# Altium PCB uZed_breakout.PcbDoc (part 3 of 4)
Units mm, origin at the board's own origin, x right, y up, seen from the top; angles counter-clockwise.
Board outline 101.6 x 80.24 mm, 4 copper layers (Top Layer, Layer 1, Layer 2, Bottom Layer), stack 0.603 mm thick; 59 components, 141 nets, 617 pads, 641 vias.
Unrouted connection lines stored in the file: 23.
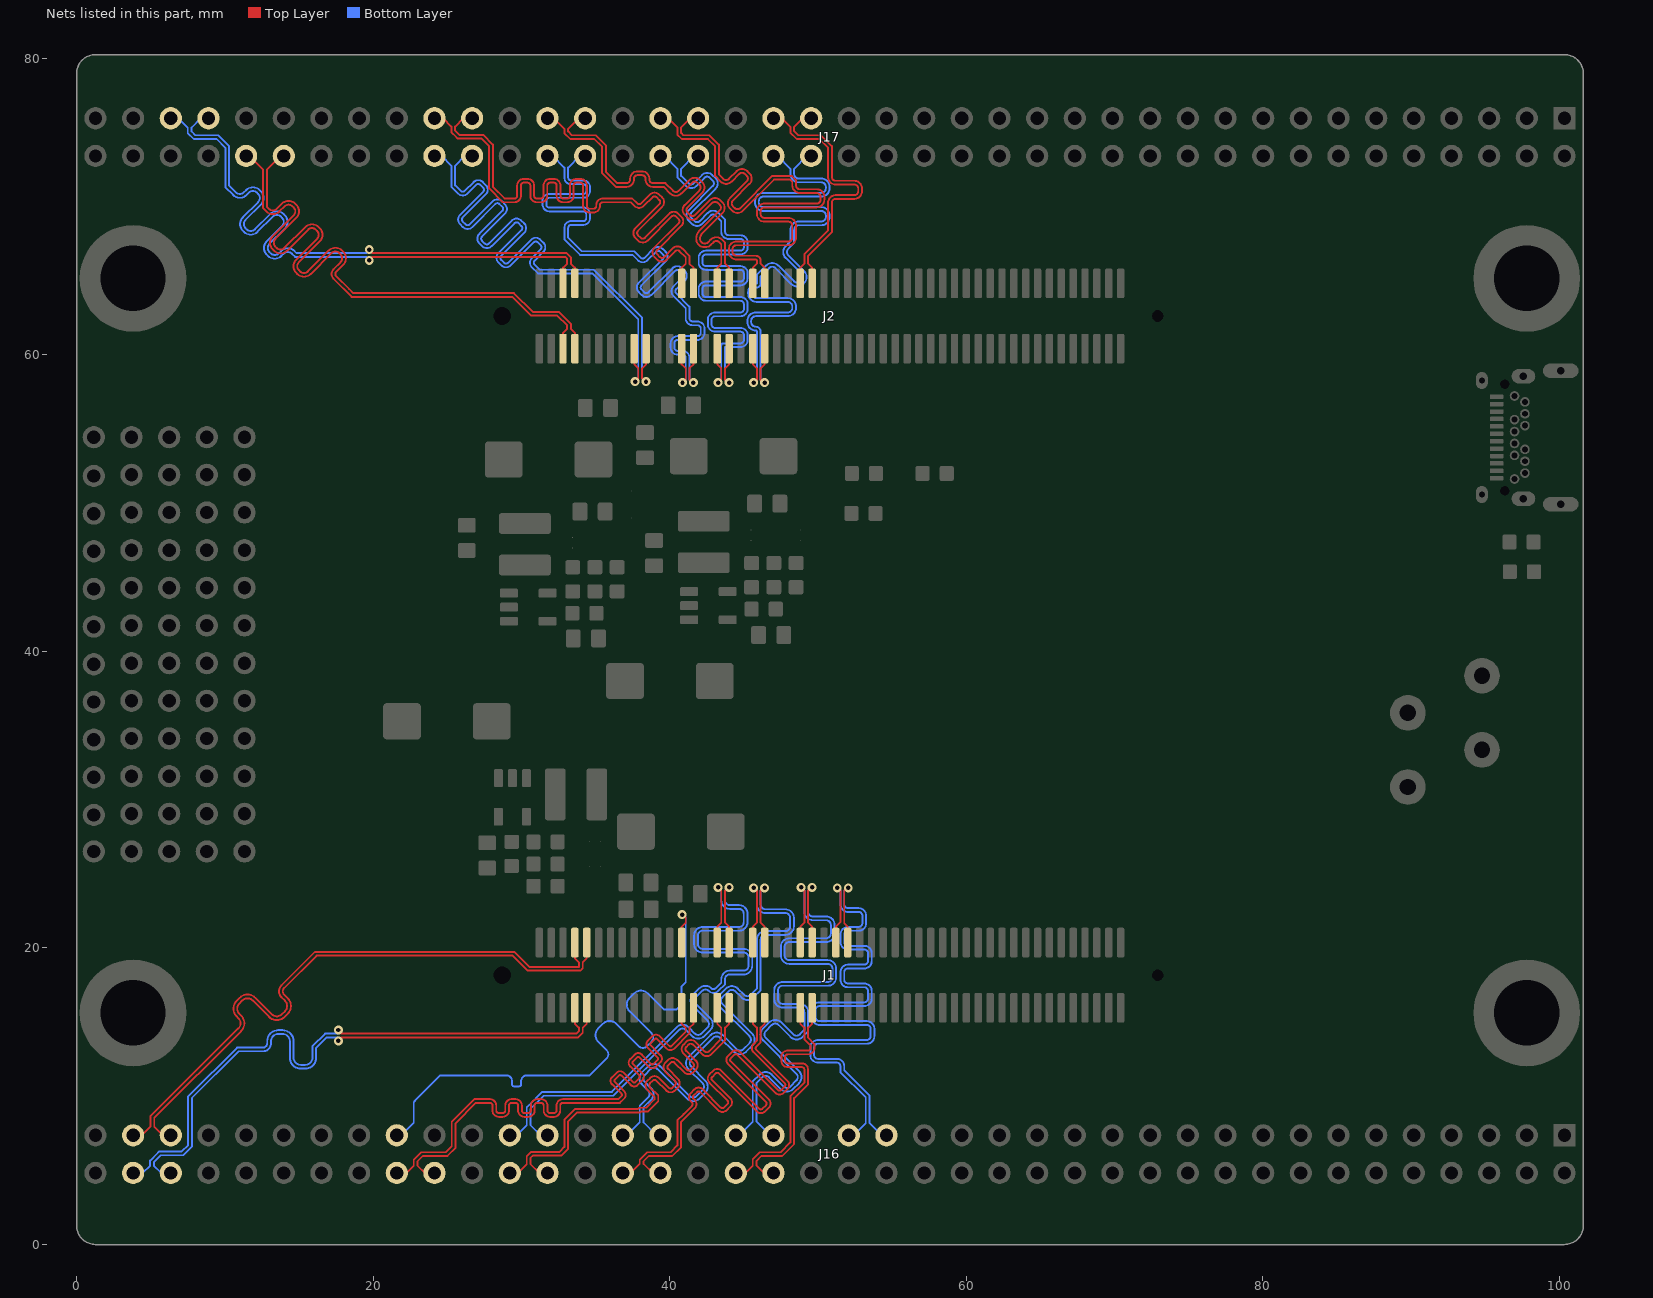
[diagram p5: the nets of this part, all layers, seen from the top]

## Via types
v1: diameter 0.6, hole 0.3, Top Layer to Bottom Layer, 562 vias
v2: diameter 0.6, hole 0.3, Top Layer to Bottom Layer, tented both sides, 75 vias
v3: diameter 0.711, hole 0.381, Top Layer to Bottom Layer, tented both sides, 4 vias

## Nets (pads, with @x,y where several pads share a name; then routed paths per layer and width w, separated by ;. In a path a pad name is that pad's centre, name@x,y a point inside that pad or via, vN(x,y) a via of type N, cw(c..) or ccw(c..) an arc to the next point about the centre after c; other vN are vias at no path point) (continued)
L13_T2_34_N: J1.50 J16.39 | length 41.5
  Top Layer w0.127: J1.50@51.2,20.361 51.2,21.425 51.509,21.734 51.509,23.901 51.357,24.054 v2@51.319,24.054
  Bottom Layer w0.127: v2@51.319,24.054 51.509,23.863 51.509,22.936 ccw(c52.017,22.936) 52.017,22.428 52.731,22.428 cw(c52.731,22.174) 52.985,22.174 52.985,21.666 cw(c52.731,21.666) 52.731,21.412 52.017,21.412 ccw(c52.017,20.904) 51.509,20.904 51.509,20.396 ccw(c52.017,20.396) 52.017,19.888 53.111,19.888 cw(c53.111,19.634) 53.365,19.634 53.365,19.126 cw(c53.111,19.126) 53.111,18.872 52.017,18.872 ccw(c52.017,18.364) 51.509,18.364 51.509,17.856 ccw(c52.017,17.856) 52.017,17.348 53.111,17.348 cw(c53.111,17.094) 53.365,17.094 53.365,16.586 cw(c53.111,16.586) 53.111,16.332 50.089,16.332 ccw(c50.089,15.824) 49.581,15.824 49.581,15.316 ccw(c50.089,15.316) 50.089,14.808 53.287,14.808 cw(c53.287,14.554) 53.541,14.554 53.541,14.046 cw(c53.287,14.046) 53.287,13.792 49.985,13.792 ccw(c49.985,13.284) 49.477,13.284 49.477,12.776 ccw(c49.985,12.776) 49.985,12.268 51.255,12.268 cw(c51.255,12.014) 51.509,12.014 51.509,11.631 53.213,9.928 53.213,8.179 52.4,7.366 J16.39@52.07,7.366
  other v2: 51.294,24.054
L13_T2_34_P: J1.48 J16.37 | length 41.4
  Top Layer w0.127: v2@51.954,24.054 51.916,24.054 51.763,23.901 51.763,21.661 52,21.425 J1.48@52,20.361
  Bottom Layer w0.127: v2@51.954,24.054 51.763,23.863 51.763,22.936 ccw(c52.017,22.936) 52.017,22.682 52.731,22.682 cw(c52.731,22.174) 53.239,22.174 53.239,21.666 cw(c52.731,21.666) 52.731,21.158 52.017,21.158 ccw(c52.017,20.904) 51.763,20.904 51.763,20.396 ccw(c52.017,20.396) 52.017,20.142 53.111,20.142 cw(c53.111,19.634) 53.619,19.634 53.619,19.126 cw(c53.111,19.126) 53.111,18.618 52.017,18.618 ccw(c52.017,18.364) 51.763,18.364 51.763,17.856 ccw(c52.017,17.856) 52.017,17.602 53.111,17.602 cw(c53.111,17.094) 53.619,17.094 53.619,16.586 cw(c53.111,16.586) 53.111,16.078 50.089,16.078 ccw(c50.089,15.824) 49.835,15.824 49.835,15.316 ccw(c50.089,15.316) 50.089,15.062 53.287,15.062 cw(c53.287,14.554) 53.795,14.554 53.795,14.046 cw(c53.287,14.046) 53.287,13.538 49.985,13.538 ccw(c49.985,13.284) 49.731,13.284 49.731,12.776 ccw(c49.985,12.776) 49.985,12.522 51.255,12.522 cw(c51.255,12.014) 51.763,12.014 51.763,11.737 53.467,10.033 53.467,8.179 54.28,7.366 J16.37@54.61,7.366
  other v2: 52.03,24.054
L13_T2_35_N: J2.56 J17.43 | length 18.1
  Top Layer w0.127: J17.43@46.99,75.946 47.549,75.946 48.133,75.362 48.133,74.977 48.561,74.549 50.089,74.549 50.673,73.965 50.673,71.989 ccw(c51.186,71.989) 51.186,71.476 52.446,71.476 cw(c52.446,71.217) 52.705,71.217 52.705,71.023 cw(c52.446,71.023) 52.446,70.764 51.186,70.764 ccw(c51.186,70.251) 50.673,70.251 50.673,68.38 49.073,66.78 49.073,66.148 48.8,65.875 J2.56@48.8,64.811
L13_T2_35_P: J2.54 J17.41 | length 18.1
  Top Layer w0.127: J17.41@49.53,75.946 48.971,75.946 48.387,75.362 48.387,75.082 48.666,74.803 50.194,74.803 50.927,74.07 50.927,71.989 ccw(c51.186,71.989) 51.186,71.73 52.446,71.73 cw(c52.446,71.217) 52.959,71.217 52.959,71.023 cw(c52.446,71.023) 52.446,70.51 51.186,70.51 ccw(c51.186,70.251) 50.927,70.251 50.927,68.275 49.327,66.675 49.327,66.148 49.6,65.875 J2.54@49.6,64.811
L14_T2_34_N: J1.55 J16.46 | length 17.6
  Top Layer w0.127: J16.46@44.45,4.826 45.11,4.826 45.593,5.309 45.593,5.744 46.072,6.223 47.473,6.223 48.133,6.883 48.133,9.982 49.073,10.922 49.073,11.788 ccw(c48.898,11.788) 48.898,11.963 47.953,11.963 cw(c47.953,12.393) 47.524,12.393 47.524,12.652 cw(c47.953,12.652) 47.953,13.081 49.323,13.081 ccw(c49.323,13.256) 49.498,13.256 49.498,13.41 49.073,13.835 49.073,14.624 48.8,14.897 J1.55@48.8,15.961
L14_T2_34_P: J1.53 J16.44 | length 17.6
  Top Layer w0.127: J16.44@46.99,4.826 46.33,4.826 45.847,5.309 45.847,5.639 46.177,5.969 47.578,5.969 48.387,6.778 48.387,9.877 49.327,10.817 49.327,11.788 ccw(c48.898,11.788) 48.898,12.217 47.953,12.217 cw(c47.953,12.393) 47.778,12.393 47.778,12.652 cw(c47.953,12.652) 47.953,12.827 49.323,12.827 ccw(c49.323,13.256) 49.752,13.256 49.752,13.515 49.327,13.94 49.327,14.624 49.6,14.897 J1.53@49.6,15.961
L14_T2_35_N: J2.63 J17.44 | length 42.3
  Top Layer w0.127: J2.63@45.6,60.411 45.6,59.347 45.873,59.074 45.873,58.306 v2@45.683,58.115
  Bottom Layer w0.127: v2@45.683,58.115 45.873,58.306 45.873,61.557 ccw(c45.795,61.557) 45.795,61.635 cw(c45.795,62.196) 45.234,62.196 45.234,62.293 cw(c45.795,62.293) 45.795,62.854 47.953,62.854 ccw(c47.953,63.161) 48.261,63.161 48.261,63.258 ccw(c47.953,63.258) 47.953,63.565 45.847,63.565 cw(c45.847,64.127) 45.286,64.127 45.286,64.223 cw(c45.847,64.223) 45.847,64.785 ccw(c45.847,64.81) 45.873,64.81 45.873,65.383 46.513,66.023 cw(c46.91,65.626) 47.307,66.023 48.381,64.949 ccw(c48.598,65.167) 48.816,64.949 48.884,65.018 ccw(c48.667,65.235) 48.974,65.235 ccw(c48.667,65.235) 48.884,65.452 47.81,66.526 cw(c48.207,66.923) 47.81,67.32 47.979,67.489 48.133,67.643 48.133,68.425 cw(c48.694,68.425) 48.694,68.986 50.213,68.986 ccw(c50.213,69.294) 50.521,69.294 50.521,69.39 ccw(c50.213,69.39) 50.213,69.698 46.307,69.698 cw(c46.307,70.259) 45.745,70.259 45.745,70.355 cw(c46.307,70.355) 46.307,70.917 50.213,70.917 ccw(c50.213,71.224) 50.521,71.224 50.521,71.321 ccw(c50.213,71.321) 50.213,71.628 48.694,71.628 cw(c48.694,72.189) 48.133,72.189 48.133,72.542 47.269,73.406 J17.44@46.99,73.406
  other v2: 45.657,58.115
L14_T2_35_P: J2.61 J17.42 | length 42.3
  Top Layer w0.127: v2@46.318,58.115 46.127,58.306 46.127,59.074 46.4,59.347 J2.61@46.4,60.411
  Bottom Layer w0.127: v2@46.318,58.115 46.127,58.306 46.127,61.557 ccw(c45.795,61.557) 45.795,61.889 cw(c45.795,62.196) 45.488,62.196 45.488,62.293 cw(c45.795,62.293) 45.795,62.6 47.953,62.6 ccw(c47.953,63.161) 48.515,63.161 48.515,63.258 ccw(c47.953,63.258) 47.953,63.819 45.847,63.819 cw(c45.847,64.127) 45.54,64.127 45.54,64.223 cw(c45.847,64.223) 45.847,64.531 ccw(c45.847,64.81) 46.127,64.81 46.127,65.278 46.693,65.844 cw(c46.91,65.626) 47.127,65.844 48.202,64.77 ccw(c48.598,65.167) 48.995,64.77 49.064,64.838 ccw(c48.667,65.235) 49.228,65.235 ccw(c48.667,65.235) 49.064,65.632 47.99,66.706 cw(c48.207,66.923) 47.99,67.141 48.158,67.309 48.387,67.538 48.387,68.425 cw(c48.694,68.425) 48.694,68.732 50.213,68.732 ccw(c50.213,69.294) 50.775,69.294 50.775,69.39 ccw(c50.213,69.39) 50.213,69.952 46.307,69.952 cw(c46.307,70.259) 45.999,70.259 45.999,70.355 cw(c46.307,70.355) 46.307,70.663 50.213,70.663 ccw(c50.213,71.224) 50.775,71.224 50.775,71.321 ccw(c50.213,71.321) 50.213,71.882 48.694,71.882 cw(c48.694,72.189) 48.387,72.189 48.387,72.542 49.251,73.406 J17.42@49.53,73.406
  other v2: 46.394,58.115
L15_T2_13_N: J1.93 J16.78 | length 41.6
  Top Layer w0.127: v2@17.653,14.414 17.843,14.224 33.706,14.224 33.873,14.391 33.873,14.624 33.6,14.897 J1.93@33.6,15.961
  Bottom Layer w0.127: J16.78@3.81,4.826 4.47,4.826 4.953,5.309 4.953,5.664 5.488,6.199 5.563,6.274 7.087,6.274 7.518,6.706 7.518,9.986 10.817,13.284 12.573,13.284 ccw(c12.573,13.564) 12.852,13.564 12.852,13.716 cw(c13.589,13.716) 13.589,14.453 13.894,14.453 cw(c13.894,13.716) 14.63,13.716 14.63,12.598 ccw(c15.113,12.598) 15.113,12.116 15.418,12.116 ccw(c15.418,12.598) 15.9,12.598 15.9,13.364 16.76,14.224 17.602,14.224 17.653,14.275 v2@17.653,14.414
  other v2: 17.653,14.465
L15_T2_13_P: J1.91 J16.76 | length 41.6
  Top Layer w0.127: v2@17.653,13.779 17.843,13.97 33.811,13.97 34.127,14.286 34.127,14.624 34.4,14.897 J1.91@34.4,15.961
  Bottom Layer w0.127: J16.76@6.35,4.826 5.69,4.826 5.207,5.309 5.207,5.559 5.668,6.02 7.192,6.02 7.266,6.094 7.62,6.448 7.772,6.6 7.772,9.881 10.922,13.03 12.573,13.03 ccw(c12.573,13.564) 13.106,13.564 13.106,13.716 cw(c13.589,13.716) 13.589,14.199 13.894,14.199 cw(c13.894,13.716) 14.376,13.716 14.376,12.598 ccw(c15.113,12.598) 15.113,11.862 15.418,11.862 ccw(c15.418,12.598) 16.154,12.598 16.154,13.259 16.866,13.97 17.602,13.97 17.653,13.919 v2@17.653,13.779
  other v2: 17.653,13.729
L15_T2_34_N: J1.56 J16.45 | length 42.4
  Top Layer w0.127: J1.56@48.8,20.361 48.8,21.425 49.073,21.698 49.073,23.889 v2@48.883,24.079
  Bottom Layer w0.127: J16.45@44.45,7.366 44.679,7.366 45.593,8.28 45.593,10.998 46.059,11.464 cw(c46.461,11.062) 46.863,11.464 47.675,10.652 ccw(c47.898,10.875) 48.121,10.652 48.537,11.069 ccw(c48.315,11.292) 48.63,11.292 ccw(c48.315,11.292) 48.537,11.514 46.289,13.763 cw(c46.691,14.165) 46.289,14.568 46.705,14.984 cw(c47.108,14.582) 47.51,14.984 48.322,14.172 ccw(c48.544,14.395) 48.767,14.172 49.073,14.478 49.073,15.662 ccw(c48.758,15.662) 48.758,15.977 47.61,15.977 cw(c47.61,16.546) 47.041,16.546 47.041,17.135 cw(c47.61,17.135) 47.61,17.704 50.65,17.704 ccw(c50.65,18.019) 50.965,18.019 50.965,18.608 ccw(c50.65,18.608) 50.65,18.923 48.058,18.923 cw(c48.058,19.492) 47.489,19.492 47.489,20.081 cw(c48.058,20.081) 48.058,20.65 50.546,20.65 ccw(c50.546,20.965) 50.861,20.965 50.861,21.554 ccw(c50.546,21.554) 50.546,21.869 49.642,21.869 cw(c49.642,22.438) 49.073,22.438 49.073,23.889 v2@48.883,24.079
  other v2: 48.857,24.079
L15_T2_34_P: J1.54 J16.43 | length 42.4
  Top Layer w0.127: v2@49.518,24.079 49.327,23.889 49.327,21.698 49.6,21.425 J1.54@49.6,20.361
  Bottom Layer w0.127: J16.43@46.99,7.366 46.761,7.366 45.847,8.28 45.847,10.893 46.238,11.284 cw(c46.461,11.062) 46.684,11.284 47.496,10.473 ccw(c47.898,10.875) 48.3,10.473 48.717,10.889 ccw(c48.315,11.292) 48.884,11.292 ccw(c48.315,11.292) 48.717,11.694 46.468,13.942 cw(c46.691,14.165) 46.468,14.388 46.885,14.805 cw(c47.108,14.582) 47.33,14.805 48.142,13.993 ccw(c48.544,14.395) 48.947,13.993 49.327,14.373 49.327,15.662 ccw(c48.758,15.662) 48.758,16.231 47.61,16.231 cw(c47.61,16.546) 47.295,16.546 47.295,17.135 cw(c47.61,17.135) 47.61,17.45 50.65,17.45 ccw(c50.65,18.019) 51.219,18.019 51.219,18.608 ccw(c50.65,18.608) 50.65,19.177 48.058,19.177 cw(c48.058,19.492) 47.743,19.492 47.743,20.081 cw(c48.058,20.081) 48.058,20.396 50.546,20.396 ccw(c50.546,20.965) 51.115,20.965 51.115,21.554 ccw(c50.546,21.554) 50.546,22.123 49.642,22.123 cw(c49.642,22.438) 49.327,22.438 49.327,23.889 v2@49.518,24.079
  other v2: 49.594,24.079
L15_T2_35_N: J2.64 J17.49 | length 37.6
  Top Layer w0.127: J17.49@39.37,75.946 39.903,75.946 40.513,75.336 40.513,74.85 40.814,74.549 42.57,74.549 43.053,74.066 43.053,72.056 43.437,71.672 ccw(c43.8,72.035) 44.163,71.672 44.688,72.198 cw(c44.872,72.015) 45.055,72.198 45.191,72.062 cw(c45.008,71.878) 45.267,71.878 cw(c45.008,71.878) 45.191,71.695 44.069,70.573 ccw(c44.432,70.21) 44.069,69.847 44.205,69.711 ccw(c44.568,70.073) 44.931,69.711 47.026,71.806 48.108,71.806 48.261,71.653 48.261,71.418 ccw(c48.774,71.418) 48.774,70.905 49.906,70.905 cw(c49.906,70.646) 50.165,70.646 50.165,70.453 cw(c49.906,70.453) 49.906,70.194 46.386,70.194 ccw(c46.386,69.681) 45.873,69.681 45.873,69.488 ccw(c46.386,69.488) 46.386,68.975 48.002,68.975 cw(c48.002,68.716) 48.261,68.716 48.261,67.899 cw(c48.002,67.899) 48.002,67.64 44.494,67.64 ccw(c44.494,67.127) 43.981,67.127 43.981,66.934 ccw(c44.494,66.934) 44.494,66.421 45.79,66.421 cw(c45.79,66.338) 45.873,66.338 45.873,66.148 45.6,65.875 J2.64@45.6,64.811
L15_T2_35_P: J2.62 J17.47 | length 37.7
  Top Layer w0.127: J17.47@41.91,75.946 41.377,75.946 40.767,75.336 40.767,74.955 40.919,74.803 42.676,74.803 43.307,74.172 43.307,72.161 43.617,71.852 ccw(c43.8,72.035) 43.983,71.852 44.509,72.378 cw(c44.872,72.015) 45.234,72.378 45.371,72.241 cw(c45.008,71.878) 45.521,71.878 cw(c45.008,71.878) 45.371,71.516 44.248,70.393 ccw(c44.432,70.21) 44.248,70.027 44.385,69.89 ccw(c44.568,70.073) 44.751,69.89 46.921,72.06 47.266,72.06 48.213,72.06 48.287,71.985 48.515,71.758 48.515,71.418 ccw(c48.774,71.418) 48.774,71.159 49.906,71.159 cw(c49.906,70.646) 50.419,70.646 50.419,70.453 cw(c49.906,70.453) 49.906,69.94 46.386,69.94 ccw(c46.386,69.681) 46.127,69.681 46.127,69.488 ccw(c46.386,69.488) 46.386,69.229 48.002,69.229 cw(c48.002,68.716) 48.515,68.716 48.515,67.899 cw(c48.002,67.899) 48.002,67.386 44.494,67.386 ccw(c44.494,67.127) 44.235,67.127 44.235,66.934 ccw(c44.494,66.934) 44.494,66.675 45.79,66.675 cw(c45.79,66.338) 46.127,66.338 46.127,66.148 46.4,65.875 J2.62@46.4,64.811
L16_T3_34_N: J1.63 J16.52 | length 35.8
  Top Layer w0.127: J16.52@36.83,4.826 37.363,4.826 37.973,5.436 37.973,5.719 38.477,6.223 40.056,6.223 40.513,6.68 40.513,8.381 40.927,8.795 41.501,9.369 ccw(c41.402,9.468) 41.542,9.468 ccw(c41.402,9.468) 41.501,9.567 41.412,9.656 cw(c41.691,9.934) 41.412,10.212 ; 41.412,10.213 41.664,10.464 cw(c41.942,10.186) 42.22,10.464 43.449,9.235 ccw(c43.548,9.334) 43.647,9.235 43.898,9.486 ; 43.898,9.486 ccw(c43.8,9.585) 43.939,9.585 ccw(c43.8,9.585) 43.898,9.684 42.669,10.913 cw(c42.948,11.191) 42.669,11.47 42.921,11.721 cw(c43.199,11.443) 43.478,11.721 46.045,9.154 ccw(c46.144,9.253) 46.243,9.154 46.494,9.405 ccw(c46.395,9.504) 46.535,9.504 ccw(c46.395,9.504) 46.494,9.603 43.927,12.17 cw(c44.205,12.449) 43.927,12.727 44.178,12.978 cw(c44.456,12.7) 44.735,12.978 47.302,10.411 ccw(c47.401,10.51) 47.5,10.411 47.751,10.662 ; J1.63@45.6,15.961 45.6,14.897 45.873,14.624 45.873,13.741 45.65,13.518 ccw(c45.928,13.24) 45.65,12.961 47.751,10.86 cw(c47.652,10.761) 47.792,10.761 cw(c47.652,10.761) 47.751,10.662
L16_T3_34_P: J1.61 J16.50 | length 35.8
  Top Layer w0.127: J16.50@39.37,4.826 38.837,4.826 38.227,5.436 38.227,5.613 38.583,5.969 40.161,5.969 40.767,6.575 40.767,8.276 41.106,8.615 41.681,9.19 ccw(c41.402,9.468) 41.796,9.468 ccw(c41.402,9.468) 41.681,9.746 41.592,9.835 cw(c41.691,9.934) 41.592,10.033 ; 41.592,10.033 41.843,10.284 cw(c41.942,10.186) 42.041,10.284 43.27,9.055 ccw(c43.548,9.334) 43.826,9.055 44.078,9.307 ccw(c43.8,9.585) 44.193,9.585 ccw(c43.8,9.585) 44.078,9.864 42.849,11.093 cw(c42.948,11.191) 42.849,11.29 43.101,11.542 ; 43.101,11.542 cw(c43.199,11.443) 43.298,11.542 45.865,8.974 ccw(c46.144,9.253) 46.422,8.974 46.674,9.226 ccw(c46.395,9.504) 46.789,9.504 ccw(c46.395,9.504) 46.674,9.782 44.106,12.35 cw(c44.205,12.449) 44.106,12.547 44.358,12.799 cw(c44.456,12.7) 44.555,12.799 47.123,10.231 ccw(c47.401,10.51) 47.679,10.231 47.931,10.483 ccw(c47.652,10.761) 48.046,10.761 ccw(c47.652,10.761) 47.931,11.04 45.829,13.141 cw(c45.928,13.24) 45.829,13.339 46.127,13.636 46.127,14.624 46.4,14.897 J1.61@46.4,15.961
L16_T3_35_N: J2.69 J17.50 | length 42.6
  Top Layer w0.127: J2.69@43.2,60.411 43.2,59.347 43.473,59.074 43.473,58.306 v2@43.283,58.115
  Bottom Layer w0.127: J17.50@39.37,73.406 39.649,73.406 40.513,72.542 40.513,71.958 41.093,71.378 ccw(c41.441,71.725) 41.788,71.378 42.351,71.94 cw(c42.519,71.772) 42.686,71.94 42.907,71.719 cw(c42.739,71.551) 42.977,71.551 cw(c42.739,71.551) 42.907,71.383 41.268,69.743 ccw(c41.615,69.396) 41.268,69.048 41.488,68.827 ccw(c41.836,69.175) 42.184,68.827 42.746,69.39 cw(c42.914,69.222) 43.082,69.39 43.473,68.998 43.473,68.297 ccw(c43.965,68.297) 43.965,67.805 44.76,67.805 cw(c44.76,67.568) 44.997,67.568 44.997,67.255 cw(c44.76,67.255) 44.76,67.018 42.441,67.018 ccw(c42.441,66.526) 41.949,66.526 41.949,66.214 ccw(c42.441,66.214) 42.441,65.722 44.76,65.722 cw(c44.76,65.485) 44.997,65.485 44.997,65.173 cw(c44.76,65.173) 44.76,64.935 42.441,64.935 ccw(c42.441,64.444) 41.949,64.444 41.949,64.131 ccw(c42.441,64.131) 42.441,63.64 44.76,63.64 cw(c44.76,63.402) 44.997,63.402 44.997,63.09 cw(c44.76,63.09) 44.76,62.852 43.056,62.852 ccw(c43.056,62.361) 42.565,62.361 42.565,62.048 ccw(c43.056,62.048) 43.056,61.557 44.76,61.557 cw(c44.76,61.319) 44.997,61.319 44.997,61.007 cw(c44.76,61.007) 44.76,60.77 43.6,60.77 ccw(c43.6,60.642) 43.473,60.642 43.473,58.306 v2@43.283,58.115
  other v2: 43.257,58.115
L16_T3_35_P: J2.67 J17.48 | length 42.6
  Top Layer w0.127: v2@43.918,58.115 43.727,58.306 43.727,59.074 44,59.347 J2.67@44,60.411
  Bottom Layer w0.127: J17.48@41.91,73.406 41.631,73.406 40.767,72.542 40.767,72.063 41.273,71.557 ccw(c41.441,71.725) 41.609,71.557 42.171,72.12 cw(c42.519,71.772) 42.866,72.12 43.087,71.899 cw(c42.739,71.551) 43.231,71.551 cw(c42.739,71.551) 43.087,71.204 41.447,69.564 ccw(c41.615,69.396) 41.447,69.228 41.668,69.007 ccw(c41.836,69.175) 42.004,69.007 42.566,69.569 cw(c42.914,69.222) 43.261,69.569 43.727,69.103 43.727,68.297 ccw(c43.965,68.297) 43.965,68.059 44.76,68.059 cw(c44.76,67.568) 45.251,67.568 45.251,67.255 cw(c44.76,67.255) 44.76,66.764 42.441,66.764 ccw(c42.441,66.526) 42.203,66.526 42.203,66.214 ccw(c42.441,66.214) 42.441,65.977 44.76,65.977 cw(c44.76,65.485) 45.251,65.485 45.251,65.173 cw(c44.76,65.173) 44.76,64.681 42.441,64.681 ccw(c42.441,64.444) 42.203,64.444 42.203,64.131 ccw(c42.441,64.131) 42.441,63.894 44.76,63.894 cw(c44.76,63.402) 45.251,63.402 45.251,63.09 cw(c44.76,63.09) 44.76,62.598 43.056,62.598 ccw(c43.056,62.361) 42.819,62.361 42.819,62.048 ccw(c43.056,62.048) 43.056,61.811 44.76,61.811 cw(c44.76,61.319) 45.251,61.319 45.251,61.007 cw(c44.76,61.007) 44.76,60.515 43.727,60.515 43.727,58.306 v2@43.918,58.115
  other v2: 43.994,58.115
L17_T3_34_N: J1.64 J16.51 | length 40.9
  Top Layer w0.127: J1.64@45.6,20.361 45.6,21.425 45.873,21.698 45.873,23.863 v2@45.683,24.054
  Bottom Layer w0.127: J16.51@36.83,7.366 37.109,7.366 37.973,8.23 37.973,9.347 38.55,9.924 ccw(c38.327,10.147) 38.642,10.147 ccw(c38.327,10.147) 38.55,10.369 38.124,10.795 cw(c38.526,11.197) 38.124,11.599 38.541,12.016 cw(c38.943,11.614) 39.345,12.016 41.351,10.01 ccw(c41.574,10.233) 41.797,10.01 42.214,10.427 ccw(c41.991,10.649) 42.306,10.649 ccw(c41.991,10.649) 42.214,10.872 41.258,11.828 cw(c41.66,12.23) 41.258,12.632 42.754,14.128 cw(c43.156,13.726) 43.558,14.128 44.514,13.172 ccw(c44.736,13.395) 44.959,13.172 45.376,13.589 ccw(c45.153,13.812) 45.468,13.812 ccw(c45.153,13.812) 45.376,14.034 43.37,16.04 ; 43.37,16.04 cw(c43.772,16.443) 43.37,16.845 ; 43.37,16.845 43.787,17.262 cw(c44.189,16.859) 44.591,17.262 45.017,16.836 ccw(c45.239,17.059) 45.462,16.836 45.873,17.247 45.873,20.564 cw(c46.442,20.564) 46.442,21.133 47.793,21.133 ccw(c47.793,21.448) 48.108,21.448 48.108,22.037 ccw(c47.793,22.037) 47.793,22.352 46.442,22.352 cw(c46.442,22.921) 45.873,22.921 45.873,23.863 v2@45.683,24.054
  other v2: 45.657,24.054
L17_T3_34_P: J1.62 J16.49 | length 40.9
  Top Layer w0.127: v2@46.318,24.054 46.127,23.863 46.127,21.698 46.4,21.425 J1.62@46.4,20.361
  Bottom Layer w0.127: J16.49@39.37,7.366 39.091,7.366 38.227,8.23 38.227,9.242 38.729,9.744 ccw(c38.327,10.147) 38.896,10.147 ccw(c38.327,10.147) 38.729,10.549 38.304,10.974 cw(c38.526,11.197) 38.304,11.42 38.72,11.836 cw(c38.943,11.614) 39.166,11.836 41.172,9.83 ccw(c41.574,10.233) 41.977,9.83 42.393,10.247 ccw(c41.991,10.649) 42.56,10.649 ccw(c41.991,10.649) 42.393,11.052 41.438,12.007 cw(c41.66,12.23) 41.438,12.453 42.933,13.948 cw(c43.156,13.726) 43.379,13.948 44.334,12.993 ccw(c44.736,13.395) 45.139,12.993 45.555,13.409 ccw(c45.153,13.812) 45.722,13.812 ccw(c45.153,13.812) 45.555,14.214 43.549,16.22 cw(c43.772,16.443) 43.549,16.665 43.966,17.082 cw(c44.189,16.859) 44.412,17.082 44.837,16.657 ccw(c45.239,17.059) 45.642,16.657 46.127,17.142 46.127,20.564 cw(c46.442,20.564) 46.442,20.879 47.793,20.879 ccw(c47.793,21.448) 48.362,21.448 48.362,22.037 ccw(c47.793,22.037) 47.793,22.606 46.442,22.606 cw(c46.442,22.921) 46.127,22.921 46.127,23.863 v2@46.318,24.054
  other v2: 46.394,24.054
L17_T3_35_N: J2.70 J17.55 | length 28.5
  Top Layer w0.127: J17.55@31.75,75.946 32.182,75.946 32.893,75.235 32.893,74.952 33.296,74.549 34.9,74.549 35.433,74.016 35.433,72.243 36.352,71.323 37.088,71.323 ccw(c37.088,71.815) 37.579,71.815 37.579,71.873 cw(c37.817,71.873) 37.817,72.111 38.129,72.111 cw(c38.129,71.873) 38.367,71.873 38.367,71.815 ccw(c38.858,71.815) 38.858,71.323 39.595,71.323 40.046,70.872 ccw(c40.409,71.235) 40.772,70.872 41.501,71.601 cw(c41.684,71.418) 41.867,71.601 42.004,71.465 cw(c41.821,71.282) 42.08,71.282 cw(c41.821,71.282) 42.004,71.098 41.002,70.096 ccw(c41.328,69.77) 41.002,69.444 41.211,69.234 ccw(c41.537,69.56) 41.864,69.234 42.866,70.236 cw(c43.049,70.053) 43.232,70.236 43.369,70.1 cw(c43.186,69.917) 43.445,69.917 cw(c43.186,69.917) 43.369,69.733 41.986,68.351 ccw(c42.478,67.86) 41.783,67.86 41.783,67.818 ccw(c42.344,67.818) 41.947,67.422 41.984,67.384 ccw(c42.287,67.687) 42.287,67.259 42.418,67.259 ccw(c42.418,67.744) 42.761,67.401 42.956,67.596 cw(c43.139,67.413) 43.322,67.596 43.473,67.445 43.473,66.148 43.2,65.875 J2.70@43.2,64.811
L17_T3_35_P: J2.68 J17.53 | length 28.5
  Top Layer w0.127: J17.53@34.29,75.946 33.858,75.946 33.147,75.235 33.147,75.057 33.401,74.803 35.005,74.803 35.687,74.121 35.687,72.348 36.458,71.577 37.088,71.577 ccw(c37.088,71.815) 37.325,71.815 37.325,71.873 cw(c37.817,71.873) 37.817,72.365 38.129,72.365 cw(c38.129,71.873) 38.621,71.873 38.621,71.815 ccw(c38.858,71.815) 38.858,71.577 39.7,71.577 40.226,71.052 ccw(c40.409,71.235) 40.592,71.052 41.321,71.781 cw(c41.684,71.418) 42.047,71.781 42.183,71.644 cw(c41.821,71.282) 42.334,71.282 cw(c41.821,71.282) 42.183,70.919 41.181,69.917 ccw(c41.328,69.77) 41.181,69.623 41.391,69.414 ccw(c41.537,69.56) 41.684,69.414 42.686,70.416 cw(c43.049,70.053) 43.412,70.416 43.548,70.279 cw(c43.186,69.917) 43.699,69.917 cw(c43.186,69.917) 43.548,69.554 42.196,68.201 ccw(c42.579,67.818) 42.037,67.818 ccw(c42.344,67.818) 42.127,67.601 42.164,67.564 ccw(c42.287,67.687) 42.287,67.513 42.418,67.513 ccw(c42.418,67.744) 42.581,67.581 42.776,67.776 cw(c43.139,67.413) 43.502,67.776 43.727,67.55 43.727,66.148 44,65.875 J2.68@44,64.811
L18_T3_34_N: J1.69 J16.58 | length 28.8
  Top Layer w0.127: J16.58@29.21,4.826 29.769,4.826 30.353,5.41 30.353,5.947 30.654,6.248 32.563,6.248 32.893,6.579 32.893,8.411 33.626,9.144 37.871,9.144 37.948,9.22 38.405,9.22 38.964,9.779 38.964,9.955 38.482,10.436 cw(c38.786,10.74) 38.482,11.043 38.666,11.226 cw(c38.969,10.923) 39.273,11.226 39.928,10.571 ccw(c40.052,10.695) 40.176,10.571 40.359,10.754 ccw(c40.235,10.878) 40.41,10.878 ccw(c40.235,10.878) 40.359,11.002 39.704,11.657 cw(c40.007,11.961) 39.704,12.265 39.887,12.448 cw(c40.19,12.144) 40.494,12.448 41.149,11.792 ccw(c41.273,11.916) 41.397,11.792 41.58,11.976 ccw(c41.456,12.1) 41.632,12.1 ccw(c41.456,12.1) 41.58,12.223 40.925,12.879 cw(c41.229,13.182) 40.925,13.486 41.108,13.669 cw(c41.412,13.365) 41.715,13.669 42.371,13.014 ccw(c42.494,13.138) 42.618,13.014 43.473,13.868 43.473,14.624 43.2,14.897 J1.69@43.2,15.961
L18_T3_34_P: J1.67 J16.56 | length 28.8
  Top Layer w0.127: J16.56@31.75,4.826 31.191,4.826 30.607,5.41 30.607,5.842 30.759,5.994 32.668,5.994 33.147,6.473 33.147,8.306 33.731,8.89 37.977,8.89 38.053,8.966 38.51,8.966 39.218,9.674 39.218,10.06 38.662,10.616 cw(c38.786,10.74) 38.662,10.864 38.845,11.047 cw(c38.969,10.923) 39.093,11.047 39.748,10.392 ccw(c40.052,10.695) 40.355,10.392 40.539,10.575 ccw(c40.235,10.878) 40.664,10.878 ccw(c40.235,10.878) 40.539,11.182 39.883,11.837 cw(c40.007,11.961) 39.883,12.085 40.066,12.268 cw(c40.19,12.144) 40.314,12.268 40.97,11.613 ccw(c41.273,11.916) 41.577,11.613 41.76,11.796 ccw(c41.456,12.1) 41.886,12.1 ccw(c41.456,12.1) 41.76,12.403 41.105,13.058 cw(c41.229,13.182) 41.105,13.306 41.288,13.489 cw(c41.412,13.365) 41.536,13.489 42.191,12.834 ccw(c42.494,13.138) 42.798,12.834 43.727,13.763 43.727,14.624 44,14.897 J1.67@44,15.961
L18_T3_35_N: J2.75 J17.56 | length 42.7
  Top Layer w0.127: J2.75@40.8,60.411 40.8,59.347 41.073,59.074 41.073,58.306 v2@40.883,58.115
  Bottom Layer w0.127: J17.56@31.75,73.406 32.106,73.406 32.893,72.619 32.893,71.948 ccw(c33.34,71.948) 33.34,71.501 34.173,71.501 cw(c34.173,71.308) 34.366,71.308 34.366,71.034 cw(c34.173,71.034) 34.173,70.841 31.867,70.841 ccw(c31.867,70.394) 31.42,70.394 31.42,70.119 ccw(c31.867,70.119) 31.867,69.672 34.173,69.672 cw(c34.173,69.479) 34.366,69.479 34.366,69.205 cw(c34.173,69.205) 34.173,69.012 33.34,69.012 ccw(c33.34,68.565) 32.893,68.565 32.893,67.789 33.956,66.726 37.492,66.726 37.855,66.363 ccw(c38.171,66.679) 38.487,66.363 39.076,66.952 cw(c39.213,66.815) 39.349,66.952 39.543,66.758 cw(c39.407,66.621) 39.6,66.621 cw(c39.407,66.621) 39.543,66.485 37.912,64.854 ccw(c38.228,64.538) 37.912,64.222 38.106,64.028 ccw(c38.422,64.344) 38.738,64.028 40.369,65.659 cw(c40.506,65.522) 40.642,65.659 40.836,65.465 cw(c40.7,65.328) 40.893,65.328 cw(c40.7,65.328) 40.836,65.192 40.247,64.603 ccw(c40.563,64.287) 40.247,63.97 41.073,63.144 41.073,62.462 ccw(c41.547,62.462) 41.547,61.989 41.869,61.989 cw(c41.869,61.769) 42.089,61.769 42.089,61.472 cw(c41.869,61.472) 41.869,61.252 40.531,61.252 ccw(c40.531,60.778) 40.057,60.778 40.057,60.481 ccw(c40.531,60.481) 40.531,60.008 40.853,60.008 cw(c40.853,59.788) 41.073,59.788 41.073,58.306 v2@40.883,58.115
  other v2: 40.857,58.115
L18_T3_35_P: J2.73 J17.54 | length 42.7
  Top Layer w0.127: v2@41.518,58.115 41.327,58.306 41.327,59.074 41.6,59.347 J2.73@41.6,60.411
  Bottom Layer w0.127: J17.54@34.29,73.406 33.934,73.406 33.147,72.619 33.147,71.948 ccw(c33.34,71.948) 33.34,71.755 34.173,71.755 cw(c34.173,71.308) 34.62,71.308 34.62,71.034 cw(c34.173,71.034) 34.173,70.587 31.867,70.587 ccw(c31.867,70.394) 31.674,70.394 31.674,70.119 ccw(c31.867,70.119) 31.867,69.926 34.173,69.926 cw(c34.173,69.479) 34.62,69.479 34.62,69.205 cw(c34.173,69.205) 34.173,68.758 33.34,68.758 ccw(c33.34,68.565) 33.147,68.565 33.147,67.894 34.061,66.98 37.597,66.98 38.034,66.542 ccw(c38.171,66.679) 38.307,66.542 38.896,67.131 cw(c39.213,66.815) 39.529,67.131 39.723,66.937 cw(c39.407,66.621) 39.854,66.621 cw(c39.407,66.621) 39.723,66.305 38.092,64.674 ccw(c38.228,64.538) 38.092,64.401 38.286,64.207 ccw(c38.422,64.344) 38.559,64.207 40.19,65.838 cw(c40.506,65.522) 40.822,65.838 41.016,65.644 cw(c40.7,65.328) 41.147,65.328 cw(c40.7,65.328) 41.016,65.012 40.427,64.423 ccw(c40.563,64.287) 40.427,64.15 41.327,63.25 41.327,62.462 ccw(c41.547,62.462) 41.547,62.243 41.869,62.243 cw(c41.869,61.769) 42.343,61.769 42.343,61.472 cw(c41.869,61.472) 41.869,60.998 40.531,60.998 ccw(c40.531,60.778) 40.311,60.778 40.311,60.481 ccw(c40.531,60.481) 40.531,60.261 40.853,60.261 cw(c40.853,59.788) 41.327,59.788 41.327,58.306 v2@41.518,58.115
  other v2: 41.594,58.115
L19_T3_13_N: J1.94 J16.77 | length 41.9
  Top Layer w0.127: J16.77@3.81,7.366 4.394,7.366 4.978,7.95 4.978,8.64 10.914,14.575 ccw(c10.572,14.916) 11.055,14.916 ccw(c10.572,14.916) 10.914,15.257 10.788,15.383 cw(c11.309,15.904) 10.788,16.425 11.003,16.64 cw(c11.524,16.119) 12.045,16.64 13.159,15.527 ccw(c13.5,15.868) 13.841,15.527 14.057,15.742 ccw(c13.715,16.084) 14.198,16.084 ccw(c13.715,16.084) 14.057,16.425 13.816,16.666 cw(c14.221,17.071) 13.816,17.477 16.075,19.736 29.515,19.736 30.531,18.72 33.873,18.72 33.873,19.025 33.6,19.298 J1.94@33.6,20.361
L19_T3_13_P: J1.92 J16.75 | length 41.8
  Top Layer w0.127: J16.75@6.35,7.366 5.817,7.366 5.232,7.95 5.232,8.534 11.093,14.395 ccw(c10.572,14.916) 11.309,14.916 ccw(c10.572,14.916) 11.093,15.437 10.968,15.563 cw(c11.309,15.904) 10.968,16.245 11.183,16.461 cw(c11.524,16.119) 11.866,16.461 12.979,15.347 ccw(c13.5,15.868) 14.021,15.347 14.236,15.563 ccw(c13.715,16.084) 14.452,16.084 ccw(c13.715,16.084) 14.236,16.604 13.995,16.845 cw(c14.221,17.071) 13.995,17.297 16.18,19.482 29.41,19.482 30.426,18.466 33.978,18.466 34.127,18.615 34.127,19.025 34.4,19.298 J1.92@34.4,20.361
L19_T3_34_N: J1.70 J16.57 | length 41.9
  Top Layer w0.127: J1.70@43.2,20.361 43.2,21.425 43.473,21.698 43.473,23.889 v2@43.283,24.079
  Bottom Layer w0.127: J16.57@29.21,7.366 29.667,7.366 30.353,8.052 30.353,9.249 30.478,9.374 31.391,10.287 36.093,10.287 40.459,14.652 cw(c40.861,14.25) 41.263,14.652 41.689,14.227 ccw(c41.912,14.45) 42.134,14.227 42.551,14.644 ccw(c42.328,14.866) 42.643,14.866 ccw(c42.328,14.866) 42.551,15.089 41.554,16.086 cw(c41.926,16.458) 41.553,16.83 42.001,17.277 cw(c42.403,16.875) 42.805,17.277 ccw(c42.944,17.416) 43.084,17.277 43.473,17.667 43.473,17.897 cw(c44.042,17.897) 44.042,18.466 44.987,18.466 ccw(c44.987,18.781) 45.302,18.781 45.302,19.37 ccw(c44.987,19.37) 44.987,19.685 42.213,19.685 cw(c42.213,20.254) 41.644,20.254 41.644,20.843 cw(c42.213,20.843) 42.213,21.412 44.669,21.412 ccw(c44.669,21.727) 44.984,21.727 44.984,22.316 ccw(c44.669,22.316) 44.669,22.631 44.042,22.631 cw(c44.042,23.2) 43.473,23.2 43.473,23.889 v2@43.283,24.079
  other v2: 43.257,24.079
L19_T3_34_P: J1.68 J16.55 | length 41.9
  Top Layer w0.127: v2@43.918,24.079 43.727,23.889 43.727,21.698 44,21.425 J1.68@44,20.361
  Bottom Layer w0.127: J16.55@31.75,7.366 31.293,7.366 30.607,8.052 30.607,9.144 31.496,10.033 36.199,10.033 40.638,14.473 cw(c40.861,14.25) 41.084,14.473 41.509,14.047 ccw(c41.912,14.45) 42.314,14.047 42.731,14.464 ccw(c42.328,14.866) 42.897,14.866 ccw(c42.328,14.866) 42.731,15.269 41.764,16.235 cw(c41.986,16.458) 41.764,16.681 42.18,17.098 cw(c42.403,16.875) 42.626,17.098 ccw(c42.944,17.416) 43.263,17.098 43.727,17.561 43.727,17.897 cw(c44.042,17.897) 44.042,18.212 44.987,18.212 ccw(c44.987,18.781) 45.556,18.781 45.556,19.37 ccw(c44.987,19.37) 44.987,19.939 42.213,19.939 cw(c42.213,20.254) 41.898,20.254 41.898,20.843 cw(c42.213,20.843) 42.213,21.158 44.669,21.158 ccw(c44.669,21.727) 45.238,21.727 45.238,22.316 ccw(c44.669,22.316) 44.669,22.885 44.042,22.885 cw(c44.042,23.2) 43.727,23.2 43.727,23.889 v2@43.918,24.079
  other v2: 43.994,24.079
L19_T3_35_N: J2.76 J17.61 | length 42.4
  Top Layer w0.127: J17.61@24.13,75.946 24.714,75.946 25.273,75.387 25.273,75.003 25.627,74.649 25.701,74.574 27.305,74.574 27.813,74.066 27.813,71.218 28.749,70.282 29.521,70.282 ccw(c29.521,70.72) 29.959,70.72 29.959,71.418 cw(c30.143,71.418) 30.143,71.603 30.41,71.603 cw(c30.41,71.418) 30.594,71.418 30.594,70.72 ccw(c31.032,70.72) 31.032,70.282 31.299,70.282 ccw(c31.299,70.72) 31.737,70.72 31.737,71.418 cw(c31.921,71.418) 31.921,71.603 32.188,71.603 cw(c32.188,71.418) 32.372,71.418 32.372,70.72 ccw(c32.81,70.72) 32.81,70.282 33.077,70.282 ccw(c33.077,70.72) 33.515,70.72 33.515,71.418 cw(c33.699,71.418) 33.699,71.603 33.966,71.603 cw(c33.966,71.418) 34.15,71.418 34.15,70.03 ccw(c34.588,70.03) 34.588,69.592 34.855,69.592 ccw(c34.855,70.03) 35.293,70.03 35.293,70.098 cw(c35.477,70.098) 35.477,70.282 37.365,70.282 37.613,70.033 ccw(c37.93,70.349) 38.246,70.033 38.835,70.622 cw(c38.971,70.486) 39.108,70.622 39.302,70.428 cw(c39.165,70.292) 39.358,70.292 cw(c39.165,70.292) 39.302,70.155 37.671,68.524 ccw(c37.987,68.208) 37.671,67.892 37.865,67.698 ccw(c38.181,68.014) 38.497,67.698 40.128,69.329 cw(c40.264,69.192) 40.401,69.329 40.595,69.135 cw(c40.458,68.999) 40.651,68.999 cw(c40.458,68.999) 40.595,68.862 38.964,67.231 ccw(c39.28,66.915) 38.964,66.599 39.158,66.405 ccw(c39.474,66.721) 39.79,66.405 40.379,66.994 cw(c40.516,66.858) 40.652,66.994 41.073,66.573 41.073,66.148 40.8,65.875 J2.76@40.8,64.811
L19_T3_35_P: J2.74 J17.59 | length 42.4
  Top Layer w0.127: J17.59@26.67,75.946 26.086,75.946 25.527,75.387 25.527,75.108 25.806,74.828 27.41,74.828 28.067,74.172 28.067,71.323 28.854,70.536 29.521,70.536 ccw(c29.521,70.72) 29.705,70.72 29.705,71.418 cw(c30.143,71.418) 30.143,71.857 30.41,71.857 cw(c30.41,71.418) 30.848,71.418 30.848,70.72 ccw(c31.032,70.72) 31.032,70.536 31.299,70.536 ccw(c31.299,70.72) 31.483,70.72 31.483,71.418 cw(c31.921,71.418) 31.921,71.857 32.188,71.857 cw(c32.188,71.418) 32.626,71.418 32.626,70.72 ccw(c32.81,70.72) 32.81,70.536 33.077,70.536 ccw(c33.077,70.72) 33.261,70.72 33.261,71.418 cw(c33.699,71.418) 33.699,71.857 33.966,71.857 cw(c33.966,71.418) 34.404,71.418 34.404,70.03 ccw(c34.588,70.03) 34.588,69.846 34.855,69.846 ccw(c34.855,70.03) 35.039,70.03 35.039,70.098 cw(c35.477,70.098) 35.477,70.536 37.47,70.536 37.793,70.213 ccw(c37.93,70.349) 38.066,70.213 38.655,70.802 cw(c38.971,70.486) 39.287,70.802 39.481,70.608 cw(c39.165,70.292) 39.612,70.292 cw(c39.165,70.292) 39.481,69.976 37.85,68.345 ccw(c37.987,68.208) 37.85,68.072 38.044,67.878 ccw(c38.181,68.014) 38.317,67.878 39.948,69.509 cw(c40.264,69.192) 40.58,69.509 40.774,69.315 cw(c40.458,68.999) 40.905,68.999 cw(c40.458,68.999) 40.774,68.682 39.144,67.052 ccw(c39.28,66.915) 39.144,66.779 39.338,66.585 ccw(c39.474,66.721) 39.611,66.585 40.2,67.174 cw(c40.516,66.858) 40.832,67.174 41.327,66.679 41.327,66.148 41.6,65.875 J2.74@41.6,64.811
L20_T3_13_N: J2.95 J17.72 | length 43.6
  Top Layer w0.127: J17.72@11.151,73.558 11.506,73.558 12.344,72.72 ; J17.72@11.43,73.406 11.633,73.406 12.573,72.466 12.573,69.875 12.784,69.664 ccw(c13.23,70.109) 13.675,69.664 14.024,70.012 cw(c14.29,69.747) 14.555,70.012 14.634,69.933 cw(c14.369,69.668) 14.744,69.668 cw(c14.369,69.668) 14.634,69.402 13.226,67.994 ccw(c13.672,67.548) 13.226,67.103 13.305,67.024 ccw(c13.751,67.469) 14.196,67.024 15.604,68.432 cw(c15.87,68.166) 16.136,68.432 16.215,68.353 cw(c15.949,68.087) 16.325,68.087 cw(c15.949,68.087) 16.215,67.821 14.807,66.413 ccw(c15.252,65.968) 14.807,65.522 14.886,65.443 ccw(c15.331,65.889) 15.777,65.443 17.185,66.851 cw(c17.451,66.586) 17.716,66.851 17.795,66.772 cw(c17.53,66.507) 17.906,66.507 cw(c17.53,66.507) 17.795,66.241 17.323,65.768 ccw(c17.644,65.447) 17.323,65.126 18.542,63.906 29.384,63.906 30.654,62.636 32.41,62.636 33.073,61.974 33.073,61.747 32.8,61.474 J2.95@32.8,60.411
L20_T3_13_P: J2.93 J17.70 | length 42.3
  Top Layer w0.127: J17.70@13.437,73.558 J17.70@13.691,73.558 ; J17.70@13.97,73.406 13.767,73.406 12.827,72.466 12.827,69.981 12.964,69.844 ccw(c13.23,70.109) 13.496,69.844 13.844,70.192 cw(c14.29,69.747) 14.735,70.192 14.814,70.113 cw(c14.369,69.668) 14.998,69.668 cw(c14.369,69.668) 14.814,69.222 13.406,67.814 ccw(c13.672,67.548) 13.406,67.282 13.485,67.203 ccw(c13.751,67.469) 14.017,67.203 15.425,68.611 cw(c15.87,68.166) 16.315,68.611 16.394,68.532 cw(c15.949,68.087) 16.579,68.087 cw(c15.949,68.087) 16.394,67.642 14.986,66.234 ccw(c15.252,65.968) 14.986,65.702 15.065,65.623 ccw(c15.331,65.889) 15.597,65.623 17.005,67.031 cw(c17.451,66.586) 17.896,67.031 17.975,66.952 cw(c17.53,66.507) 18.16,66.507 cw(c17.53,66.507) 17.975,66.061 17.502,65.589 ccw(c17.644,65.447) 17.502,65.305 18.368,64.44 18.647,64.16 29.489,64.16 30.759,62.89 32.516,62.89 33.327,62.079 33.327,61.747 33.6,61.474 J2.93@33.6,60.411
L20_T3_34_N: J1.75 J16.64 | length 37.4
  Top Layer w0.127: J16.64@21.59,4.826 22.25,4.826 22.733,5.309 22.733,5.719 23.237,6.223 24.892,6.223 25.298,6.629 25.298,8.284 26.819,9.804 27.866,9.804 cw(c27.866,9.375) 28.296,9.375 28.296,9.04 ccw(c28.471,9.04) 28.471,8.865 28.73,8.865 ccw(c28.73,9.04) 28.905,9.04 28.905,9.375 cw(c29.334,9.375) 29.334,9.804 29.594,9.804 cw(c29.594,9.375) 30.023,9.375 30.023,9.04 ccw(c30.198,9.04) 30.198,8.865 30.457,8.865 ccw(c30.457,9.04) 30.632,9.04 30.632,9.375 cw(c31.062,9.375) 31.062,9.804 31.321,9.804 cw(c31.321,9.375) 31.75,9.375 31.75,9.04 ccw(c31.925,9.04) 31.925,8.865 32.184,8.865 ccw(c32.184,9.04) 32.36,9.04 32.36,9.375 cw(c32.789,9.375) 32.789,9.804 36.525,9.804 36.747,10.026 ccw(c36.684,10.089) 36.773,10.089 ccw(c36.684,10.089) 36.747,10.152 36.104,10.794 cw(c36.346,11.037) 36.104,11.279 36.409,11.585 cw(c36.652,11.342) 36.894,11.585 37.537,10.942 ccw(c37.6,11.005) 37.663,10.942 37.968,11.247 ccw(c37.905,11.31) 37.994,11.31 ccw(c37.905,11.31) 37.968,11.373 37.325,12.016 cw(c37.568,12.258) 37.325,12.501 37.631,12.806 cw(c37.873,12.563) 38.115,12.806 38.758,12.163 ccw(c38.821,12.226) 38.884,12.163 39.189,12.468 ccw(c39.126,12.531) 39.215,12.531 ccw(c39.126,12.531) 39.189,12.594 38.525,13.259 cw(c38.767,13.501) 38.525,13.744 38.83,14.049 cw(c39.073,13.807) 39.315,14.049 39.98,13.384 ccw(c40.042,13.447) 40.105,13.384 41.073,14.352 41.073,14.624 40.8,14.897 J1.75@40.8,15.961
L20_T3_34_P: J1.73 J16.62 | length 37.4
  Top Layer w0.127: J16.62@24.13,4.826 23.47,4.826 22.987,5.309 22.987,5.613 23.343,5.969 24.997,5.969 25.552,6.524 25.552,8.179 26.924,9.55 27.866,9.55 cw(c27.866,9.375) 28.042,9.375 28.042,9.04 ccw(c28.471,9.04) 28.471,8.611 28.73,8.611 ccw(c28.73,9.04) 29.159,9.04 29.159,9.375 cw(c29.334,9.375) 29.334,9.55 29.594,9.55 cw(c29.594,9.375) 29.769,9.375 29.769,9.04 ccw(c30.198,9.04) 30.198,8.611 30.457,8.611 ccw(c30.457,9.04) 30.886,9.04 30.886,9.375 cw(c31.062,9.375) 31.062,9.55 31.321,9.55 cw(c31.321,9.375) 31.496,9.375 31.496,9.04 ccw(c31.925,9.04) 31.925,8.611 32.184,8.611 ccw(c32.184,9.04) 32.614,9.04 32.614,9.375 cw(c32.789,9.375) 32.789,9.55 36.63,9.55 36.926,9.846 ccw(c36.684,10.089) 37.027,10.089 ccw(c36.684,10.089) 36.926,10.331 36.284,10.974 cw(c36.346,11.037) 36.284,11.1 36.589,11.405 cw(c36.652,11.342) 36.715,11.405 37.357,10.762 ccw(c37.6,11.005) 37.842,10.762 38.148,11.068 ccw(c37.905,11.31) 38.248,11.31 ccw(c37.905,11.31) 38.148,11.553 37.505,12.195 cw(c37.568,12.258) 37.505,12.321 37.81,12.626 cw(c37.873,12.563) 37.936,12.626 38.579,11.984 ccw(c38.821,12.226) 39.064,11.984 39.369,12.289 ccw(c39.126,12.531) 39.469,12.531 ccw(c39.126,12.531) 39.369,12.774 38.704,13.438 cw(c38.767,13.501) 38.704,13.564 39.01,13.869 cw(c39.073,13.807) 39.135,13.869 39.8,13.205 ccw(c40.042,13.447) 40.285,13.205 41.327,14.247 41.327,14.624 41.6,14.897 J1.73@41.6,15.961
L20_T3_35_N: J2.83 J17.62 | length 43.6
  Top Layer w0.127: J2.83@37.6,60.411 37.6,59.347 37.873,59.074 37.873,58.382 v2@37.683,58.191
  Bottom Layer w0.127: J17.62@24.13,73.406 24.613,73.406 25.273,72.746 25.273,71.32 25.724,70.869 ccw(c26.04,71.185) 26.356,70.869 26.945,71.458 cw(c27.082,71.321) 27.218,71.458 27.412,71.264 cw(c27.276,71.127) 27.469,71.127 cw(c27.276,71.127) 27.412,70.991 25.858,69.437 ccw(c26.174,69.121) 25.858,68.805 26.052,68.611 ccw(c26.368,68.927) 26.684,68.611 28.238,70.165 cw(c28.375,70.028) 28.511,70.165 28.705,69.971 cw(c28.569,69.834) 28.762,69.834 cw(c28.569,69.834) 28.705,69.698 27.155,68.147 ccw(c27.471,67.831) 27.155,67.515 27.348,67.321 ccw(c27.665,67.637) 27.981,67.321 29.531,68.872 cw(c29.668,68.735) 29.804,68.872 29.998,68.678 cw(c29.862,68.541) 30.055,68.541 cw(c29.862,68.541) 29.998,68.405 28.448,66.854 ccw(c28.764,66.538) 28.448,66.222 28.642,66.028 ccw(c28.958,66.344) 29.274,66.028 30.825,67.578 cw(c30.961,67.442) 31.098,67.578 31.292,67.384 cw(c31.155,67.248) 31.348,67.248 cw(c31.155,67.248) 31.292,67.111 30.702,66.522 ccw(c31.019,66.206) 30.702,65.89 31.111,65.481 34.773,65.481 37.873,62.381 37.873,58.382 v2@37.683,58.191
  other v2: 37.657,58.191
L20_T3_35_P: J2.81 J17.60 | length 43.6
  Top Layer w0.127: v2@38.318,58.191 38.127,58.382 38.127,59.074 38.4,59.347 J2.81@38.4,60.411
  Bottom Layer w0.127: J17.60@26.67,73.406 26.187,73.406 25.527,72.746 25.527,71.425 25.903,71.048 ccw(c26.04,71.185) 26.176,71.048 26.765,71.638 cw(c27.082,71.321) 27.398,71.638 27.592,71.444 cw(c27.276,71.127) 27.723,71.127 cw(c27.276,71.127) 27.592,70.811 26.038,69.257 ccw(c26.174,69.121) 26.038,68.984 26.232,68.79 ccw(c26.368,68.927) 26.505,68.79 28.059,70.344 cw(c28.375,70.028) 28.691,70.344 28.885,70.15 cw(c28.569,69.834) 29.016,69.834 cw(c28.569,69.834) 28.885,69.518 27.334,67.967 ccw(c27.471,67.831) 27.334,67.694 27.528,67.5 ccw(c27.665,67.637) 27.801,67.5 29.352,69.051 cw(c29.668,68.735) 29.984,69.051 30.178,68.857 cw(c29.862,68.541) 30.309,68.541 cw(c29.862,68.541) 30.178,68.225 28.627,66.674 ccw(c28.764,66.538) 28.627,66.401 28.821,66.207 ccw(c28.958,66.344) 29.094,66.207 30.645,67.758 cw(c30.961,67.442) 31.277,67.758 31.471,67.564 cw(c31.155,67.248) 31.602,67.248 cw(c31.155,67.248) 31.471,66.932 30.882,66.343 ccw(c31.019,66.206) 30.882,66.07 31.217,65.735 34.878,65.735 38.127,62.486 38.127,58.382 v2@38.318,58.191
  other v2: 38.394,58.191
L21_T3_13_N: J2.96 J17.75 | length 42.1
  Top Layer w0.127: v2@19.736,66.408 19.926,66.599 32.946,66.599 33.073,66.472 33.073,66.148 32.8,65.875 J2.96@32.8,64.811
  Bottom Layer w0.127: J17.75@6.35,75.946 6.858,75.946 7.493,75.311 7.493,74.952 7.896,74.549 9.445,74.549 10.033,73.961 10.033,71.294 10.552,70.775 ccw(c11.006,71.229) 11.459,70.775 11.612,70.928 cw(c11.886,70.654) 12.159,70.928 12.24,70.847 cw(c11.966,70.573) 12.354,70.573 cw(c11.966,70.573) 12.24,70.299 11.208,69.266 ccw(c11.661,68.813) 11.208,68.359 11.288,68.279 ; 11.288,68.279 ccw(c11.742,68.732) 12.195,68.279 13.228,69.311 cw(c13.502,69.037) 13.776,69.311 13.857,69.231 cw(c13.583,68.957) 13.97,68.957 cw(c13.583,68.957) 13.857,68.683 12.824,67.65 ccw(c13.278,67.197) 12.824,66.743 12.905,66.662 ccw(c13.358,67.116) 13.812,66.662 13.965,66.815 cw(c14.238,66.541) 14.512,66.815 14.728,66.599 19.545,66.599 v2@19.736,66.408
  other v2: 19.736,66.358
L21_T3_13_P: J2.94 J17.73 | length 42.1
  Top Layer w0.127: v2@19.736,67.043 19.926,66.853 33.051,66.853 33.327,66.577 33.327,66.148 33.6,65.875 J2.94@33.6,64.811
  Bottom Layer w0.127: J17.73@8.89,75.946 8.382,75.946 7.747,75.311 7.747,75.057 8.001,74.803 9.55,74.803 10.287,74.066 10.287,71.399 10.557,71.13 10.732,70.955 ccw(c11.006,71.229) 11.279,70.955 11.432,71.107 cw(c11.886,70.654) 12.339,71.107 12.42,71.027 cw(c11.966,70.573) 12.608,70.573 cw(c11.966,70.573) 12.42,70.12 11.387,69.087 ccw(c11.661,68.813) 11.387,68.539 11.468,68.458 ccw(c11.742,68.732) 12.016,68.458 13.049,69.491 cw(c13.502,69.037) 13.956,69.491 14.036,69.41 cw(c13.583,68.957) 14.224,68.957 cw(c13.583,68.957) 14.036,68.503 13.004,67.47 ccw(c13.278,67.197) 13.004,66.923 13.084,66.842 ccw(c13.358,67.116) 13.632,66.842 13.785,66.994 cw(c14.238,66.541) 14.692,66.994 14.834,66.853 19.545,66.853 v2@19.736,67.043
  other v2: 19.736,67.094
L21_T3_34_N: J1.76 J16.63 | length 41.6
  Top Layer w0.127: J1.76@40.8,20.361 40.8,21.425 41.073,21.698 41.073,22.073 40.895,22.25 v2@40.883,22.25
  Bottom Layer w0.127: J16.63@21.59,7.366 21.895,7.366 22.733,8.204 22.733,9.605 22.809,9.681 24.533,11.405 28.976,11.405 cw(c28.976,11.019) 29.362,11.019 29.362,10.8 ccw(c29.494,10.8) 29.494,10.668 29.84,10.668 ccw(c29.84,10.8) 29.972,10.8 29.972,11.019 cw(c30.358,11.019) 30.358,11.405 34.596,11.405 35.741,12.549 ccw(c35.466,12.824) 35.855,12.824 ccw(c35.466,12.824) 35.741,13.099 35.177,13.663 cw(c35.631,14.117) 35.177,14.571 35.489,14.884 cw(c35.944,14.43) 36.398,14.884 37.91,13.372 ccw(c38.185,13.647) 38.46,13.372 38.772,13.684 ccw(c38.498,13.959) 38.886,13.959 ccw(c38.498,13.959) 38.772,14.234 37.287,15.719 cw(c37.742,16.174) 37.287,16.628 37.6,16.941 cw(c38.054,16.486) 38.508,16.941 39.599,15.85 40.462,15.85 40.792,16.18 40.792,17.403 41.073,17.683 41.073,22.06 v2@40.883,22.25
  other v2: 40.832,22.25